# Altium PCB praxis_top_level_pcbdoc_v1.PcbDoc (part 2 of 2)
Units mm, origin at the board's own origin, x right, y up, seen from the top; angles counter-clockwise.
Board outline 131 x 75.5 mm, 4 copper layers (Top Layer, Int1 (GND), Int2 (PWR), Bottom Layer), stack 1.273 mm thick; 193 components, 25 nets, 735 pads, 144 vias.
Unrouted connection lines stored in the file: 9.
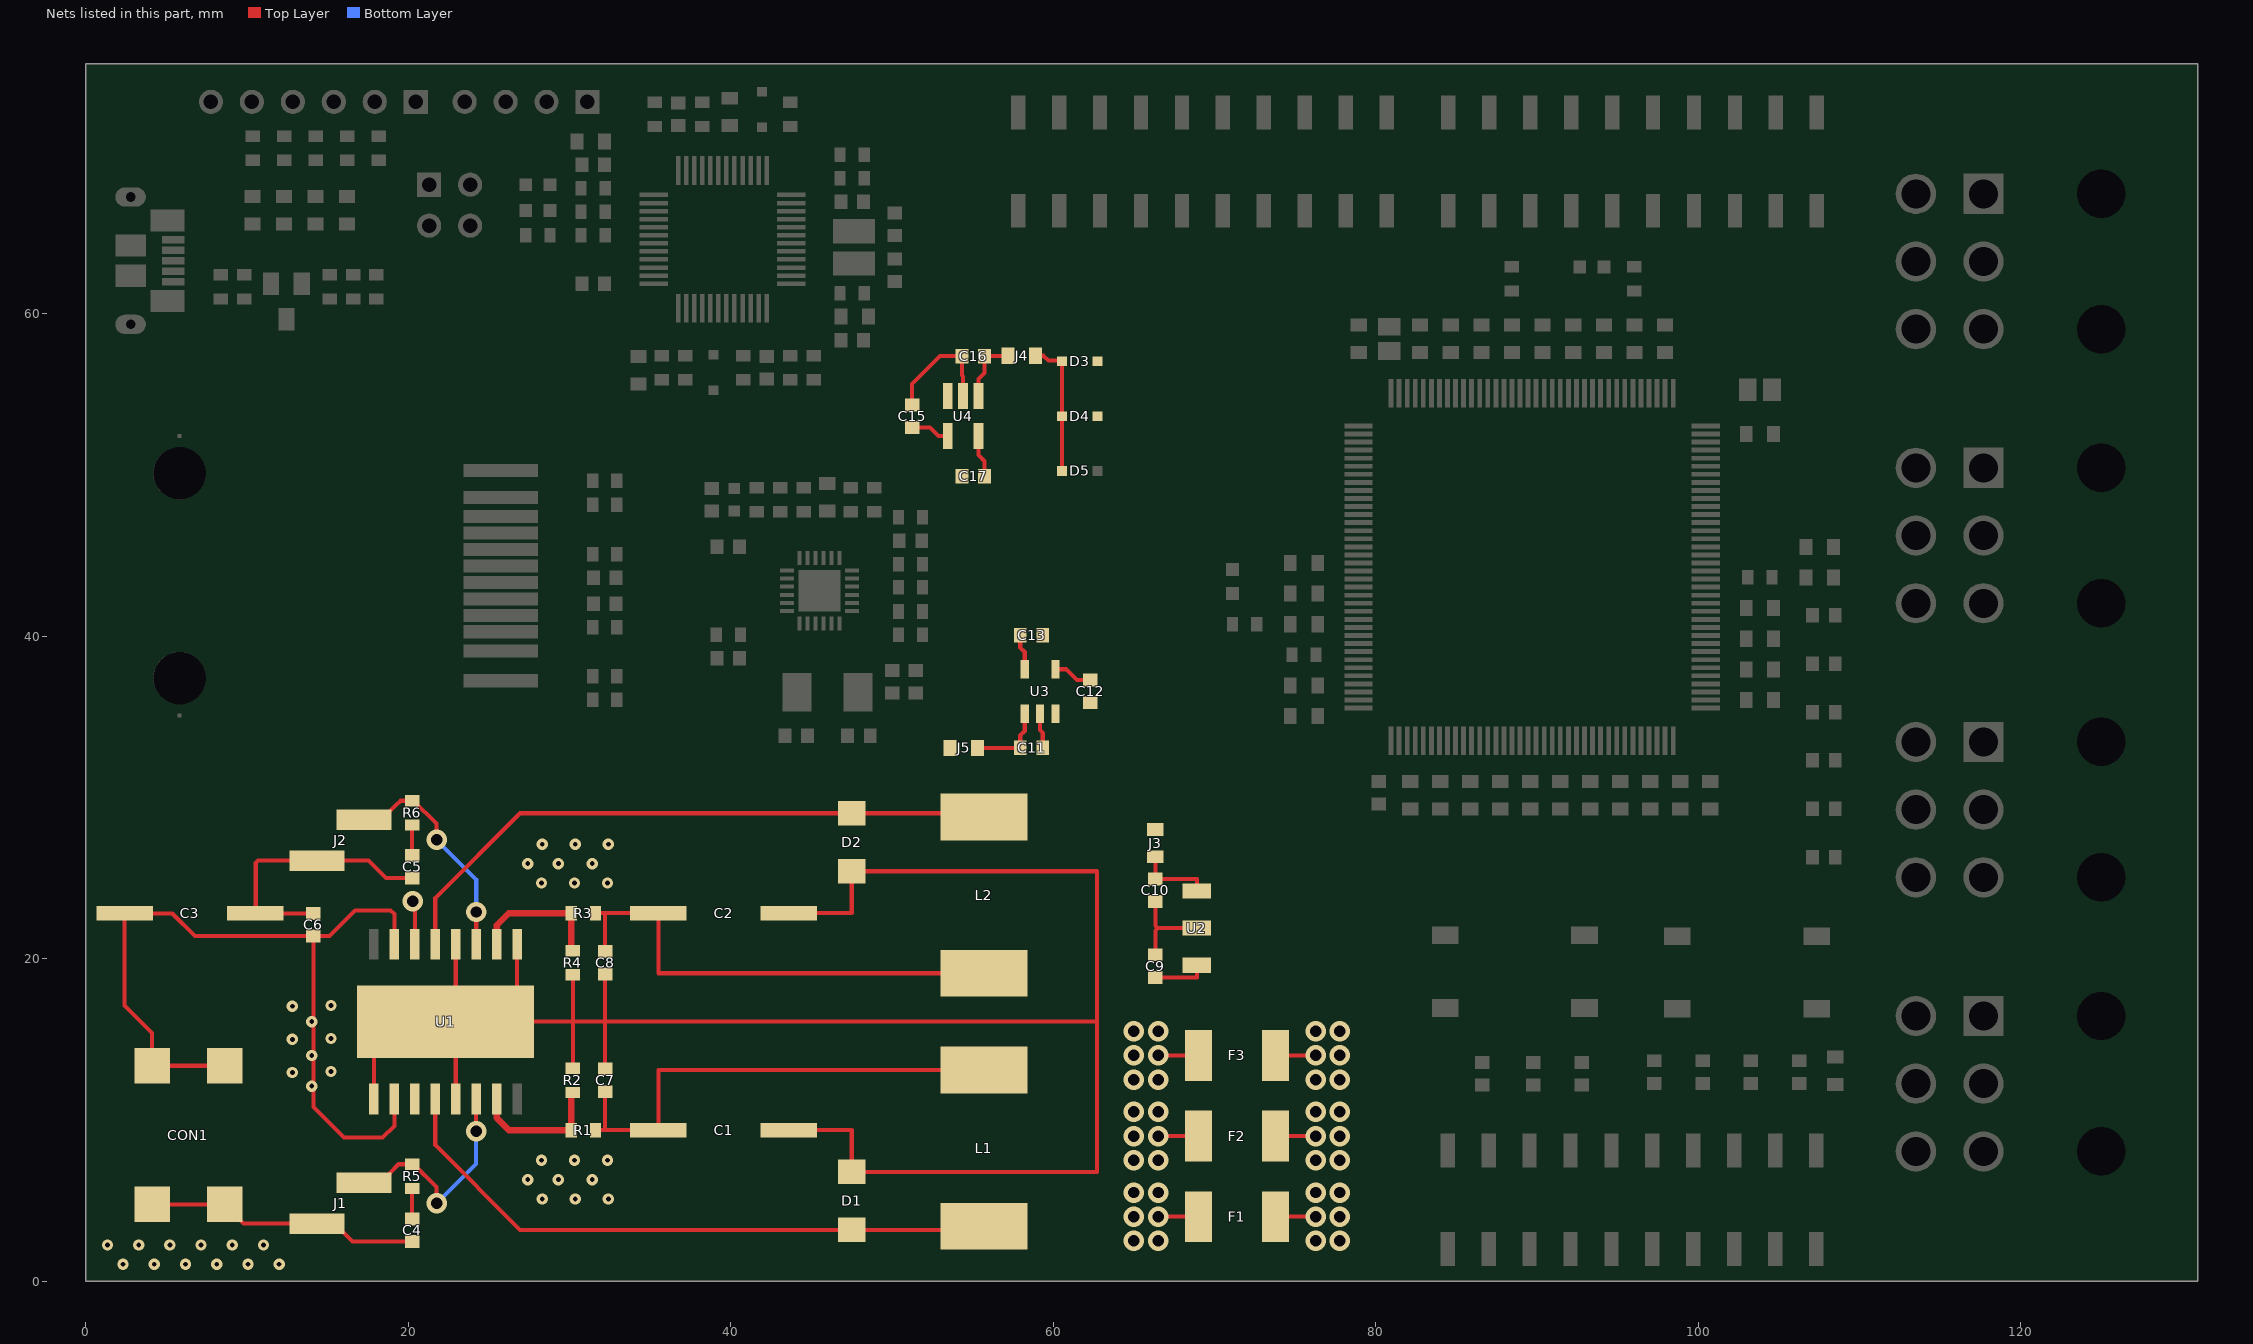
[diagram p4: the nets of this part, all layers, seen from the top]

## Via types
v1: diameter 0.711, hole 0.4, Top Layer to Bottom Layer, 58 vias
v2: diameter 1.27, hole 0.711, Top Layer to Bottom Layer, 41 vias
v3: diameter 0.7, hole 0.3, Top Layer to Bottom Layer, 39 vias
v4: diameter 0.711/0.711 (per signal layer), hole 0.4, Top Layer to Bottom Layer, 5 vias
v5: diameter 5, hole 3, Top Layer to Bottom Layer, 1 vias

## Nets (pads, with @x,y where several pads share a name; then routed paths per layer and width w, separated by ;. In a path a pad name is that pad's centre, name@x,y a point inside that pad or via, vN(x,y) a via of type N, cw(c..) or ccw(c..) an arc to the next point about the centre after c; other vN are vias at no path point)
+3V3_MCP1825: C9.2 U2.3 | length 3.3
  Top Layer w0.254: C9.2@66.327,18.847 68.907,18.847 U2.3@68.907,19.599
+3V3_MIC5301: C13.1 U3.5 | length 2.2
  Top Layer w0.254: C13.1@57.948,40.081 57.948,39.309 58.229,39.028 U3.5@58.229,37.959
+3V3_SPI: C2.1 C8.1 F2.1 F2.2 L2.2 R3.2 | length 35.2
  Top Layer w0.254: R3.2@31.6,22.825 32.2,22.825 ; C8.1@32.2,20.45 32.2,22.825 ; L2.2@55.7,19.1 35.5,19.1 C2.1@35.5,22.825 32.2,22.825 ; v2(66.5,9) F2.1@69,9 ; F2.2@73.78,9 v2(76.28,9)
  other v2: 65,7.5 66.5,7.5 76.28,7.5 77.78,7.5 65,9 77.78,9 65,10.5 66.5,10.5 76.28,10.5 77.78,10.5
  other v3: 28.25,24.7 30.3,24.7 32.35,24.7 27.4,25.9 29.3,25.9 31.4,25.9 28.3,27.1 30.35,27.1 32.4,27.1
+3V3_STLINK: C17.1 U4.5 | length 2.6
  Top Layer w0.254: U4.5@55.357,52.414 55.357,51.242 55.741,50.858 C17.1@55.741,49.934
+5V_SPI: C1.1 C7.1 D3.1 F3.1 F3.2 J3.1 J5.1 L1.1 R1.2 | length 35.2
  Top Layer w0.254: R1.2@31.6,9.375 32.2,9.375 ; C7.1@32.2,11.75 32.2,9.375 ; L1.1@55.7,13.1 35.5,13.1 C1.1@35.5,9.375 32.2,9.375 ; v2(66.5,14) F3.1@69,14 ; F3.2@73.78,14 v2(76.28,14)
  other v2: 65,12.5 66.5,12.5 76.28,12.5 77.78,12.5 65,14 77.78,14 65,15.5 66.5,15.5 76.28,15.5 77.78,15.5
  other v3: 28.3,5.1 30.35,5.1 32.4,5.1 27.4,6.3 29.3,6.3 31.4,6.3 28.25,7.5 30.3,7.5 32.35,7.5
+5V_STLINK: D3.2 D4.2 D5.2 J4.1 | length 8.6
  Top Layer w0.254: J4.1@58.9,57.4 59.4,57.4 59.7,57.1 60.499,57.1 D3.2@60.541,57.058 D4.2@60.541,53.658 D5.2@60.541,50.258
+5V_USB: D4.1
+12V: C3.1 C6.1 CON1.1 F1.1 F1.2 U1.2 U1.3 U1.15 | length 58
  Top Layer w0.254: CON1.1@8.598,13.362 CON1.1@4.098,13.362 4.098,15.402 2.4,17.1 C3.1@2.4,22.825 2.425,22.8 5.351,22.8 6.751,21.4 C6.1@14.1,21.4 ; U1.2@19.125,11.3 19.125,9.625 18.4,8.9 16,8.9 14.1,10.8 14.1,12.1 14.1,14 14.1,16.1 C6.1@14.1,21.4 ; U1.15@19.125,20.9 19.125,22.775 18.9,23 16.7,23 15.1,21.4 C6.1@14.1,21.4 ; v2(66.5,4) F1.1@69,4 ; F1.2@73.78,4 v2(76.28,4)
  other v2: 65,2.5 66.5,2.5 76.28,2.5 77.78,2.5 65,4 77.78,4 65,5.5 66.5,5.5 76.28,5.5 77.78,5.5
  other v3: 14,12.1 12.8,12.95 15.2,13 14,14 12.8,15 15.2,15.05 14,16.1 12.8,17.05 15.2,17.1
BYPASS: C15.1 U4.4 | length 2.4
  Top Layer w0.254: C15.1@51.241,52.958 52.341,52.958 52.884,52.414 U4.4@53.457,52.414
C/E: U1.14 | length 2.7
  Top Layer w0.254: v2(20.262,23.576) 20.398,23.441 20.398,20.903 U1.14@20.395,20.9
GND: C1.2 C2.2 C3.2 C4.1 C5.1 C6.2 C7.2 C8.2 C9.1 C10.1 C11.2 C12.2 C13.2 C15.2 C16.2 C17.2 CON1.2 D1.1 D2.1 J1.1 J2.2 R2.1 R4.1 U1.1 U1.5 U1.9 U1.12 U1.17 U2.2 U3.2 U4.2 | length 189
  Top Layer w0.254: CON1.2@4.098,4.762 CON1.2@8.598,4.762 9.783,3.577 J1.1@14.325,3.577 15.405,3.577 16.53,2.452 C4.1@20.225,2.452 ; C3.2@11.8,22.825 C3.2@10.5,22.825 ; C6.2@14.1,22.8 14.097,22.797 11.8,22.797 10.528,22.797 C3.2@10.5,22.825 ; U1.1@17.855,11.3 17.855,13.977 19.978,16.1 U1.17@22.1,16.1 ; C5.1@20.225,24.998 18.602,24.998 17.517,26.083 J2.2@14.325,26.083 10.677,26.083 10.528,25.934 10.528,22.854 C3.2@10.5,22.825 ; U1.5@22.935,11.3 22.935,15.465 U1.17@22.3,16.1 ; U1.12@22.935,20.9 22.935,16.935 U1.17@22.1,16.1 ; U1.9@26.745,20.9 26.745,18.223 U1.17@24.622,16.1 ; R2.1@30.2,13.2 30.2,16.1 ; R4.1@30.2,19 30.2,16.1 ; C7.2@32.2,13.15 32.2,16.1 ; C8.2@32.2,19.05 32.2,16.1 ; C1.2@43.6,9.375 47.5,9.375 D1.1@47.5,6.775 62.7,6.775 62.7,16.1 ; C2.2@43.6,22.825 47.5,22.825 D2.1@47.5,25.425 62.7,25.425 62.7,16.1 ; C15.2@51.241,54.358 51.241,55.658 52.965,57.383 C16.2@54.341,57.383 54.341,56.191 54.407,56.125 U4.2@54.407,54.902 ; U3.2@59.179,35.203 59.179,34.184 59.348,34.015 C11.2@59.348,33.081 ; C9.1@66.327,20.247 66.327,21.75 66.476,21.899 ; C10.1@66.327,23.55 66.327,22.048 66.476,21.899 ; U2.2@68.907,21.899 66.476,21.899 ; U1.17@22.1,16.1 U1.17@22.3,16.1 ; U1.17@22.3,16.1 U1.17@24.622,16.1 ; U1.17@24.622,16.1 30.2,16.1 ; 30.2,16.1 32.2,16.1 ; 32.2,16.1 62.7,16.1
  other v3: 2.299,1.048 4.236,1.048 6.172,1.048 8.108,1.048 10.045,1.048 11.981,1.048 1.331,2.248 3.268,2.248 5.204,2.248 7.14,2.248 9.077,2.248 11.013,2.248
INHIBIT: U4.3
NetC4_2: C4.2 R5.1 | length 1.9
  Top Layer w0.254: C4.2@20.225,3.852 R5.1@20.225,5.752
NetC5_2: C5.2 R6.1 | length 1.9
  Top Layer w0.254: C5.2@20.225,26.398 R6.1@20.225,28.298
NetC10_2: C10.2 J3.2 U2.1 | length 4.7
  Top Layer w0.254: J3.2@66.327,26.325 C10.2@66.327,24.95 68.907,24.95 U2.1@68.907,24.199
NetC11_1: C11.1 J5.2 U3.1 | length 4.9
  Top Layer w0.254: J5.2@55.3,33.081 C11.1@57.948,33.081 57.948,33.852 58.229,34.134 U3.1@58.229,35.203
NetC12_1: C12.1 U3.4 | length 2.4
  Top Layer w0.254: U3.4@60.129,37.959 60.799,37.959 61.477,37.281 C12.1@62.277,37.281
NetC16_1: C16.1 J4.2 U4.1 | length 4.1
  Top Layer w0.254: U4.1@55.357,54.902 55.357,55.957 55.741,56.341 C16.1@55.741,57.383 57.183,57.383 J4.2@57.2,57.4
NetU3_3: U3.3
SS1: J1.2 R5.2 U1.6 | length 14.1
  Top Layer w0.254: J1.2@17.245,6.117 18.325,6.117 18.833,6.625 18.833,6.691 19.394,7.252 R5.2@20.225,7.252 20.325,7.252 21.736,5.841 21.736,4.839 v2(21.75,4.825) ; v2(24.2,9.3) 24.202,9.302 24.202,11.297 U1.6@24.205,11.3
  Bottom Layer w0.254: v2(21.75,4.825) 24.2,7.275 v2(24.2,9.3)
SS2: J2.1 R6.2 U1.11 | length 14.1
  Top Layer w0.254: J2.1@17.245,28.623 18.325,28.623 19.2,29.498 19.2,29.5 19.498,29.798 R6.2@20.225,29.798 20.325,29.798 21.732,28.391 21.732,27.398 v2(21.755,27.375) ; U1.11@24.207,20.902 v2@24.207,22.897
  Bottom Layer w0.254: v2(21.755,27.375) 24.205,24.925 v2(24.205,22.9)
SWout1: D1.2 L1.2 U1.4 | length 39.2
  Top Layer w0.254: U1.4@21.665,11.3 21.665,8.435 26.925,3.175 D1.2@47.5,3.175 55.475,3.175 L1.2@55.7,3.4
SWout2: D2.2 L2.1 U1.13 | length 39.2
  Top Layer w0.254: U1.13@21.665,20.9 21.665,23.765 26.925,29.025 D2.2@47.5,29.025 55.475,29.025 L2.1@55.7,28.8
Vref1: R1.1 R2.2 U1.7 | length 8.5
  Top Layer w0.254: U1.7@25.475,10.65 U1.7@25.475,11.3 ; R2.2@30.1,11.7 R2.2@30.2,11.7
  Top Layer w0.4: U1.7@25.475,10.65 25.475,10.125 26.225,9.375 R1.1@30.1,9.375 R2.2@30.1,11.7
Vref2: R3.1 R4.2 U1.10 | length 7.9
  Top Layer w0.254: R4.2@30.1,20.5 R4.2@30.2,20.5
  Top Layer w0.4: U1.10@25.475,21.55 25.475,22.075 26.225,22.825 R3.1@30.1,22.825 R4.2@30.1,20.5
pads on no net: C1_1.1 C1_1.2 C1_2.1 C1_2.2 C2_1.1 C2_1.2 C2_2.1 C2_2.2 C3_1.1 C3_1.2 C4_1.1 C4_1.2 C4_2.1 C4_2.2 C4_3.1 C4_3.2 C5_1.1 C5_1.2 C5_2.1 C5_2.2 C6_1.1 C6_1.2 C6_2.1 C6_2.2 C6_3.1 C6_3.2 C7_1.1 C7_1.2 C7_2.1 C7_2.2 C7_3.1 C7_3.2 C8_1.1 C8_1.2 C8_2.1 C8_2.2 C8_3.1 C8_3.2 C9_1.1 C9_1.2 C9_2.1 C9_2.2 C10_1.1 C10_1.2 C10_2.1 C10_2.2 C11_1.1 C11_1.2 C11_2.1 C11_2.2 C12_1.1 C12_1.2 C13_1.1 C13_1.2 C14.1 C14.2 C15_1.1 C15_1.2 C16_1.1 C16_1.2 C17_1.1 C17_1.2 C18.1 C18.2 C19.1 C19.2 C20.1 C20.2 CON1_1.1 CON1_1.2 CON1_1.3 CON1_1.4 CON1_1.5 CON1_1.6 CON1_2.1 CON1_2.2 CON1_2.3 CON1_2.4 CON1_2.5 CON1_2.6 CON1_2.7 CON1_2.8 CON1_2.9 CON1_2.10 CON1_2.11 CON1_2.12 CON1_2.13 CON1_2.14 CON1_2.16 CON1_2.17 CON1_3. CON1_3.1 CON1_3.2 CON1_3.3 CON1_3.4 CON1_3.5 CON1_3.6 CON2. CON2.1 CON2.2 CON2.3 CON2.4 CON2.5 CON2.6 CON3. CON3.1 CON3.2 CON3.3 CON3.4 CON3.5 CON3.6 CON4. CON4.1 CON4.2 CON4.3 CON4.4 CON4.5 CON4.6 D1_1.1 D1_1.2 D2_1.1 D2_1.2 D5.1 Header1.1 Header1.2 Header1.3 Header1.4 Header1.5 Header1.6 Header1.7 Header1.8 Header1.9 Header1.10 Header1.11 Header1.12 Header1.13 Header1.14 Header1.15 Header1.16 Header1.17 Header1.18 Header1.19 Header1.20 Header2.1 Header2.2 Header2.3 Header2.4 Header2.5 Header2.6 Header2.7 Header2.8 Header2.9 Header2.10 Header2.11 Header2.12 Header2.13 Header2.14 Header2.15 Header2.16 Header2.17 Header2.18 Header2.19 Header2.20 Header3.1 Header3.2 Header3.3 Header3.4 Header3.5 Header3.6 Header3.7 Header3.8 Header3.9 Header3.10 Header3.11 Header3.12 Header3.13 Header3.14 Header3.15 Header3.16 Header3.17 Header3.18 Header3.19 Header3.20 J1_1.1 J1_1.2 J1_2.1 J1_2.2 J1_3.1 J1_3.2 J2_1.1 J2_1.2 J2_2.1 J2_2.2 J3_1.1 J3_1.2 J3_2.1 J3_2.2 J4_1.1 J4_1.2 J4_2.1 J4_2.2 J5_1.1 J5_1.2 J5_2.1 J5_2.2 J6.1 J6.2 J6_1.1 J6_1.2 J7.1 J7.2 J7_1.1 J7_1.2 J8.1 J8.2 J8_1.1 J8_1.2 J9.1 J9.2 J10.1 J10.2 J11.1 J11.2 J12.1 J12.2 J13.1 J13.2 J14.1 J14.2 J15.1 J15.2 J16.1 J16.2 J17.1 J17.2 J18.1 J18.2 J19.1 J19.2 J20.1 J20.2 J21.1 J21.2 J22.1 J22.2 J23.1 J23.2 J24.1 J24.2 J25.1 J25.2 J26.1 J26.2 J27.1 J27.2 J28.1 J28.2 J29.1 J29.2 J30.1 J30.2 J31.1 J31.2 J32.1 J32.2 J33.1 J33.2 J34.1 J34.2 L1_1.1 L1_1.2 LED1.1 LED1.2 LED1_1.1 LED1_1.2 LED2.1 LED2.2 LED2_1.1 LED2_1.2 P1.1 P1.2 P1.3 P1.4 P1.5 P1.6 P2.1 P2.2 P2.3 P2.4 P3.1 P3.2 P3.3 P3.4 R1_1.1 R1_1.2 R1_2.1 R1_2.2 R2_1.1 R2_1.2 R2_2.1 R2_2.2 R3_1.1 R3_1.2 R3_2.1 R3_2.2 R3_3.1 R3_3.2 R4_1.1 R4_1.2 R4_2.1 R4_2.2 R4_3.1 R4_3.2 R5_1.1 R5_1.2 R5_2.1 R5_2.2 R6_1.1 R6_1.2 R6_2.1 R6_2.2 R6_3.1 R6_3.2 R7.1 R7.2 R7_1.1 R7_1.2 R7_2.1 R7_2.2 R8.1 R8.2 R8_1.1 R8_1.2 R8_2.1 R8_2.2 R9.1 R9.2 R9_1.1 R9_1.2 R10.1 R10.2 R10_1.1 R10_1.2 R11.1 R11.2 R11_1.1 R11_1.2 R12.1 R12.2 R12_1.1 R12_1.2 R13.1 R13.2 R13_1.1 R13_1.2 R14.1 R14.2 R14_1.1 R14_1.2 R15.1 R15.2 R15_1.1 R15_1.2 R16.1 R16.2 R17.1 R17.2 R18.1 R18.2 R19.1 R19.2 R20.1 R20.2 R21.1 R21.2 R22.1 R22.2 R23.1 R23.2 R24.1 R24.2 R25.1 R25.2 R26.1 R26.2 R27.1 R27.2 SW1.1 SW1.2 SW1.3 SW1.4 SW2.1 SW2.2 SW2.3 SW2.4 T1.1 T1.2 T1.3 U1.8 U1.16 U1_1.1 U1_1.2 U1_1.3 U1_1.4 U1_1.5 U1_1.6 U1_1.7 U1_1.8 U1_1.9 U1_1.10 U1_1.11 U1_1.12 U1_1.13 U1_1.14 U1_1.15 U1_1.16 U1_1.17 U1_1.18 U1_1.19 U1_1.20 U1_1.21 U1_1.22 U1_1.23 U1_1.24 U1_1.25 U1_1.26 U1_1.27 U1_1.28 U1_1.29 U1_1.30 U1_1.31 U1_1.32 U1_1.33 U1_1.34 U1_1.35 U1_1.36 U1_1.37 U1_1.38 U1_1.39 U1_1.40 U1_1.41 U1_1.42 U1_1.43 U1_1.44 U1_1.45 U1_1.46 U1_1.47 U1_1.48 U1_2.1 U1_2.2 U1_2.3 U1_2.4 U1_2.5 U1_2.6 U1_2.7 U1_2.8 U1_2.9 U1_2.10 U1_2.11 U1_2.12 U1_2.13 U1_2.14 U1_2.15 U1_2.16 U1_2.17 U1_2.18 U1_2.19 U1_2.20 U1_2.21 U1_2.22 U1_2.23 U1_2.24 U1_2.25 U1_3.1 U1_3.2 U1_3.3 U1_3.4 U1_3.5 U1_3.6 U1_3.7 U1_3.8 U1_3.9 U1_3.10 U1_3.11 U1_3.12 U1_3.13 U1_3.14 U1_3.15 U1_3.16 U1_3.17 U1_3.18 U1_3.19 U1_3.20 U1_3.21 U1_3.22 U1_3.23 U1_3.24 U1_3.25 U1_3.26 U1_3.27 U1_3.28 U1_3.29 U1_3.30 U1_3.31 U1_3.32 U1_3.33 U1_3.34 U1_3.35 U1_3.36 U1_3.37 U1_3.38 U1_3.39 U1_3.40 U1_3.41 U1_3.42 U1_3.43 U1_3.44 U1_3.45 U1_3.46 U1_3.47 U1_3.48 U1_3.49 U1_3.50 U1_3.51 U1_3.52 U1_3.53 U1_3.54 U1_3.55 U1_3.56 U1_3.57 U1_3.58 U1_3.59 U1_3.60 U1_3.61 U1_3.62 U1_3.63 U1_3.64 U1_3.65 U1_3.66 U1_3.67 U1_3.68 U1_3.69 U1_3.70 U1_3.71 U1_3.72 U1_3.73 U1_3.74 U1_3.75 U1_3.76 U1_3.77 U1_3.78 U1_3.79 U1_3.80 U1_3.81 U1_3.82 U1_3.83 U1_3.84 U1_3.85 U1_3.86 U1_3.87 U1_3.88 U1_3.89 U1_3.90 U1_3.91 U1_3.92 U1_3.93 U1_3.94 U1_3.95 U1_3.96 U1_3.97 U1_3.98 U1_3.99 U1_3.100 U1_3.101 U1_3.102 U1_3.103 U1_3.104 U1_3.105 U1_3.106 U1_3.107 U1_3.108 U1_3.109 U1_3.110 U1_3.111 U1_3.112 U1_3.113 U1_3.114 U1_3.115 U1_3.116 U1_3.117 U1_3.118 U1_3.119 U1_3.120 U1_3.121 U1_3.122 U1_3.123 U1_3.124 U1_3.125 U1_3.126 U1_3.127 U1_3.128 U1_3.129 U1_3.130 U1_3.131 U1_3.132 U1_3.133 U1_3.134 U1_3.135 U1_3.136 U1_3.137 U1_3.138 U1_3.139 U1_3.140 U1_3.141 U1_3.142 U1_3.143 U1_3.144 U2_1.1 U2_1.2 X1.1 X1.2
copper on no net: | length 630.3
  Top Layer w0.16: 25.725,40.281 26.051,40.607 28.132,40.607 28.161,40.636 28.636,40.636 30.382,38.89 32.447,38.89 32.93,38.407 ; 25.725,41.301 26.051,40.974 28.132,40.974 28.161,40.946 28.764,40.946 30.51,39.2 32.45,39.2 32.93,39.68 ; 25.725,44.361 26.051,44.687 28.132,44.687 28.161,44.716 28.779,44.716 30.539,46.476 32.447,46.476 32.93,45.993 ; 25.725,45.381 26.051,45.054 28.132,45.054 28.161,45.026 28.651,45.026 30.411,46.786 32.45,46.786 32.93,47.266 ; 32.93,37.51 32.93,38.407 ; 32.93,40.577 32.93,39.68 ; 32.93,45.089 32.93,45.993 ; 32.93,48.163 32.93,47.266 ; v1(35.956,41.431) 35.926,41.401 35.926,40.938 34.187,39.199 33.411,39.199 32.93,39.68 ; v1(36.638,40.748) 36.609,40.719 36.145,40.719 34.315,38.889 33.411,38.889 32.93,38.407 ; v1(38.6,44.075) 38.63,44.105 39.093,44.105 39.286,44.298 40.736,44.298 41.553,43.481 42.927,43.481 42.977,43.531 43.558,43.531 ; v1(39.282,43.393) 39.312,43.422 39.312,43.885 39.415,43.988 40.607,43.988 41.425,43.171 42.927,43.171 42.977,43.121 43.43,43.121 43.475,43.076 ; 43.475,42.076 43.168,42.076 43.073,42.171 40.659,42.171 40.038,41.55 38.147,41.55 35.85,43.847 35.85,45 34.994,45.856 34.377,46.473 33.41,46.473 32.93,45.993 ; 43.475,42.576 43.168,42.576 43.073,42.481 40.531,42.481 39.91,41.86 38.275,41.86 36.16,43.975 36.16,45.128 35.214,46.075 34.505,46.783 33.413,46.783 32.93,47.266
  Top Layer w0.2: 7.751,73.15 9.02,71.881 10.126,71.881 10.333,71.674 10.333,71.026 10.325,71.034 ; 9.825,60.923 9.852,60.95 10.495,60.95 10.613,61.067 10.613,61.708 10.73,61.825 11.43,61.825 11.479,61.875 ; 10.291,73.15 11.561,71.88 12.082,71.88 12.287,71.674 12.287,71.026 12.241,71.072 ; v1(10.875,59.675) 11.7,59.675 ; 11.7,59.675 12.429,59.675 ; 12.831,72.894 12.831,73.15 14.241,71.739 14.241,71.026 14.25,71.034 ; 13.38,61.875 14,61.875 14.55,62.425 15.106,62.425 15.108,62.423 16.562,62.423 18.016,62.423 ; 14.241,67.276 v1(14.241,68.401) 14.241,69.526 ; 16.196,67.276 v1(16.196,68.401) 16.196,69.526 ; 16.196,71.026 16.196,71.674 16.4,71.878 16.639,71.878 17.911,73.15 ; v4(16.562,59.725) 16.562,60.923 ; 18.016,60.923 27.302,60.923 29.575,58.65 36.725,58.65 37.225,59.15 37.225,60.358 ; v1@18.15,68.25 v1@18.177,68.223 ; v1(18.15,68.401) 18.15,69.526 ; 18.15,71.026 18.15,71.674 18.357,71.881 19.182,71.881 20.451,73.15 ; 25.725,37.241 25.745,37.221 28.324,37.221 30.47,35.075 35.929,35.075 38.075,37.221 41.326,37.221 43.13,39.025 44.8,39.025 45.244,39.469 45.244,40.806 ; 25.725,50.281 29.181,50.281 v1(30.075,51.175) ; v1(25.975,64.825) 27.25,64.825 27.275,64.85 ; 26.025,73.15 26.025,71.004 v1(27.288,69.742) ; v1(26.045,68.008) 27.278,68.008 27.287,68 27.908,68 28.025,68.117 28.025,68.758 28.142,68.875 29.65,68.875 30.013,69.238 30.758,69.238 ; 27.278,66.404 27.829,66.404 28.025,66.208 28.025,64.992 28.142,64.875 28.775,64.875 ; 27.286,66.329 27.29,66.325 ; 28.565,73.15 29.84,74.425 36.075,74.425 36.725,73.775 36.725,73.075 ; 28.772,66.404 29.321,66.404 29.725,66 29.725,64.992 29.842,64.875 30.708,64.875 ; 28.772,68.008 29.492,68.008 29.725,67.775 29.725,66.639 30.035,66.329 30.708,66.329 ; v1(28.775,69.742) 28.775,70.82 31.105,73.15 ; v1(29.125,61.875) 30.758,61.875 ; 30.458,70.694 30.476,70.712 30.476,71.376 30.977,71.877 32.202,71.877 v1(33.525,73.2) ; 30.708,67.784 30.717,67.775 31.333,67.775 31.45,67.892 31.45,69.121 31.567,69.238 32.158,69.238 32.158,70.694 ; 32.158,61.875 v1(33.45,61.875) 35.208,61.875 ; 32.208,66.329 32.208,64.875 35.208,64.875 ; 32.208,67.784 32.966,67.784 33.425,67.325 33.425,65.95 34,65.375 35.208,65.375 ; 32.88,42.031 v1(34.175,42.031) ; 32.88,43.635 v1(34.175,43.635) ; v1(32.954,55.658) 34.261,55.658 34.253,55.65 ; 34.261,57.358 34.311,57.408 35.716,57.408 37.171,57.408 37.171,58.283 37.725,58.838 37.725,60.345 37.719,60.351 37.725,60.358 ; 35.208,62.375 37.675,62.375 39.499,64.199 ; 35.208,62.875 36.775,62.875 v1(37.475,63.575) ; 35.208,64.375 37,64.375 v1(37.55,64.925) ; 35.208,66.375 34.15,66.375 33.9,66.625 v1(33.9,70.175) 33.9,71.975 34.3,72.375 35.158,72.375 35.275,72.492 35.275,73.121 35.271,73.125 ; 35.208,66.875 37.075,66.875 38.26,65.691 ; 35.208,67.375 35.231,67.375 35.271,67.415 35.271,71.625 ; v1(35.716,54.65) 35.716,55.883 ; v1(36.313,37.613) 36.375,37.675 41.138,37.675 42.942,39.479 44.612,39.479 44.744,39.611 44.744,40.806 ; 36.725,60.358 36.725,61.425 37.225,61.925 v1(38.825,61.925) ; 36.725,68.892 36.725,71.675 36.725,72.258 36.842,72.375 38.108,72.375 38.225,72.492 38.225,73.125 ; 37.171,55.908 37.175,55.912 37.175,56.558 37.292,56.675 38.808,56.675 38.925,56.792 38.925,57.458 ; 37.225,68.892 37.225,67.8 37.65,67.375 v1@38.209,67.375 ; v1(38.21,67.376) 38.725,67.891 38.725,68.892 ; 38.225,68.892 38.225,71.625 39.88,71.625 39.929,71.674 ; v1(38.85,74.35) 41.358,74.35 41.934,73.774 ; v1(38.975,66.4) 39.725,67.15 39.725,68.892 ; 40.225,57.408 40.225,60.358 ; 40.543,38.631 41.452,38.631 42.754,39.933 44.127,39.933 44.244,40.05 44.244,40.806 ; 40.593,40.085 41.36,40.085 41.625,40.35 41.625,41.05 42.151,41.576 43.475,41.576 ; 40.593,45.566 41.36,45.566 41.625,45.301 41.625,44.601 42.151,44.076 43.475,44.076 ; 40.771,55.908 42.225,55.908 ; 41.225,68.892 41.225,67.35 39.566,65.691 38.26,65.691 ; 41.611,47.723 43.065,47.723 43.065,47.01 43.275,46.8 45.125,46.8 46.244,45.681 46.244,44.845 ; 41.725,60.358 41.725,61.973 39.499,64.199 ; v1(41.825,64.279) 42.434,64.888 43.73,64.888 43.742,64.875 ; 41.934,71.574 41.934,72.258 42.051,72.375 43.57,72.375 43.687,72.492 43.687,73.124 ; v1(42.225,54.675) 42.225,55.908 ; 42.225,55.958 42.225,55.908 ; 43.346,33.824 43.346,34.482 44.094,35.231 44.094,36.528 44.094,37.881 cw(c44.764,37.881) 44.764,38.55 44.875,38.55 ccw(c44.875,39.419) 45.744,39.419 45.744,40.806 ; 43.679,55.908 42.225,55.908 ; 43.679,57.408 43.679,59.979 45.05,61.35 45.05,62.05 44.725,62.375 43.742,62.375 ; 43.688,71.625 45.675,71.625 46.775,70.525 46.775,69.879 46.775,68.425 45.975,68.425 45.525,67.975 45.525,66.975 44.925,66.375 43.742,66.375 ; 43.742,61.875 43.742,61.392 42.708,60.358 42.225,60.358 v1(42.225,58.675) 42.225,57.358 42.225,56.8 42.375,56.65 45.008,56.65 45.125,56.533 45.125,55.917 45.134,55.908 ; 43.742,62.875 45.025,62.875 45.525,62.375 45.525,62.004 46.24,61.29 46.775,61.29 ; 43.742,63.875 44.801,63.875 cw(c44.801,62.851) 45.525,63.575 45.756,63.344 ccw(c46.284,63.871) 46.284,63.125 47.625,63.125 ; 43.742,64.375 44.801,64.375 ccw(c44.801,65.399) 45.525,64.675 45.756,64.906 cw(c46.284,64.379) 46.284,65.125 47.625,65.125 ; 43.742,65.375 40.15,65.375 v1(39.5,64.725) 39.499,64.199 ; 43.742,65.875 v1(45.5,65.875) 45.5,66.375 46.042,66.917 46.782,66.917 46.825,66.96 ; 44.519,47.723 45.925,47.723 45.975,47.773 45.975,46.917 46.092,46.8 47.3,46.8 48.225,45.875 48.225,44.192 48.108,44.075 47.514,44.075 ; 45.1,57.442 v1(45.1,58.825) v1@45.133,58.825 ; 46.244,40.806 46.244,39.419 ccw(c47.114,39.419) 47.114,38.55 47.225,38.55 cw(c47.225,37.881) 47.894,37.881 47.894,36.528 47.894,35.231 48.619,34.506 48.619,33.824 ; 46.744,40.806 46.744,40.108 47.352,39.5 48.975,39.5 49.999,38.476 49.999,37.877 51.453,37.877 ; 46.825,58.378 45.58,58.378 v1@45.133,58.825 ; 46.825,59.834 46.209,59.834 45.2,58.825 v1@45.133,58.825 ; 47.431,47.723 48.885,47.723 48.885,46.427 48.696,46.238 48.696,44.021 48.25,43.576 47.514,43.576 ; 47.514,41.576 50.356,41.576 50.392,41.539 50.392,40.085 ; 47.514,42.076 48.726,42.076 49.679,43.029 50.392,43.029 50.392,44.484 ; 47.514,42.576 48.583,42.576 49.625,43.617 49.625,45.75 49.813,45.938 50.442,45.938 ; 47.514,43.076 47.518,43.071 48.437,43.071 49.15,43.784 49.15,46.05 50.392,47.292 50.392,47.392 ; 47.669,65.081 49.125,65.081 49.346,64.86 50.125,64.86 ; 47.681,63.181 49.125,63.181 49.35,63.406 50.125,63.406 ; 48.225,58.378 49.216,58.378 50.156,59.318 v1(50.156,60.62) ; 48.225,66.96 48.91,66.96 49.402,67.452 v1(50.156,67.452) 50.156,66.26 ; 48.275,61.29 49.487,61.29 v1(50.156,60.62) ; 48.275,68.425 49.175,68.425 v1(49.575,68.825) ; 48.525,59.834 49.369,59.834 v1(50.156,60.62) ; 50.156,62.006 v1(50.156,60.62) ; v1(37.65,66.3) 38.26,65.691 ; v1(37.65,66.3) 38.26,65.691 ; v1(37.65,66.3) 38.26,65.691
  Top Layer w0.254: 5.416,62 6.425,62 v1(7.025,61.4) 7.502,60.923 8.371,60.923 ; 5.416,62.65 6.838,62.65 7.064,62.423 8.371,62.423 ; 7.505,64.611 v4(8.025,65.132) v4(8.025,66.4) ; 10.333,67.276 v1(10.333,68.401) 10.333,69.526 ; 12.287,67.276 v1(12.287,68.401) 12.287,69.526 ; 14.241,65.576 14.241,64.909 14.5,64.65 20.317,64.65 21.142,65.475 21.285,65.475 ; v4(15.108,59.725) 15.108,60.923 ; 16.196,65.576 18.826,65.576 18.925,65.675 18.945,65.675 21.285,68.015 ; 25.725,39.081 28.658,39.081 29.225,38.513 29.225,37 30.169,36.056 31.43,36.056 ; 25.725,42.321 28.65,42.321 28.939,42.031 31.48,42.031 31.48,42.833 ; 25.725,43.341 28.65,43.341 28.944,43.635 31.48,43.635 ; 25.725,48.62 28.649,48.62 29.667,49.638 31.43,49.638 ; v1(30.075,37.51) 31.43,37.51 ; v1(30.075,41.3) 30.789,40.586 31.43,40.586 31.43,41.99 ; v1(30.075,42.838) 30.079,42.833 31.48,42.833 ; v1(30.075,44.375) v1@30.089,44.361 ; v1(30.075,48.163) 31.43,48.163 ; v1@30.089,41.312 31.423,41.312 ; v1@30.089,44.363 31.423,44.363 ; 31.43,45.089 31.43,43.685 31.48,43.635 ; 32.93,36.056 v1(34.175,36.056) ; 32.93,49.638 v1(34.175,49.638) ; 31.48,42.833 31.48,43.635
  Top Layer w0.26: 5.416,63.3 5.511,63.395 9.825,63.395 ; 5.416,63.95 5.511,63.855 20.533,63.855 34.419,63.855 34.429,63.865 35.198,63.865 35.208,63.875 ; 9.825,62.423 9.825,63.394 ; 35.208,63.375 35.198,63.385 34.429,63.385 34.419,63.395 20.724,63.395 9.825,63.395
  Top Layer w0.4: 5.417,64.6 7.493,64.6 7.505,64.611
  Bottom Layer w0.16: v1(35.956,41.431) 35.985,41.46 36.448,41.46 38.57,43.582 38.57,44.045 v1(38.6,44.075) ; v1(36.638,40.748) 36.668,40.778 36.668,41.241 38.79,43.363 39.253,43.363 v1(39.282,43.393)
  Bottom Layer w0.2: v1(30.075,51.175) 31.908,51.175 32.15,50.933 32.15,41.775 v1(36.313,37.613)
  other v1: 44.675,42.005 46.315,42.005 45.494,42.826 44.675,43.645 46.315,43.645 5.056,60.8 2.766,62.36 2.766,64.24 5.056,65.8 36.725,70.575
  other v4: 8.825,65.766
  other v5: 3.125,72.375

## Polygon pours and split planes (outlines as drawn)
GND on Top Layer "GND_L01_P000" (solid, pour order 0): 131,0 0,0 0,75.5 131,75.5
+5V_SPI on Top Layer "+5V_SPI_L01_P042" (solid, pour order 42): 69.78,12.1 69.48,11.8 64.68,11.8 64.28,12.2 64.28,14 69.78,14
+5V_SPI on Top Layer "+5V_SPI_L01_P041" (solid, pour order 41): 69.78,15.9 69.48,16.2 64.68,16.2 64.28,15.8 64.28,14 69.78,14
+3V3_SPI on Top Layer "+3V3_SPI_L01_P040" (solid, pour order 40): 69.78,7.1 69.48,6.8 64.68,6.8 64.28,7.2 64.28,9 69.78,9
+3V3_SPI on Top Layer "+3V3_SPI_L01_P039" (solid, pour order 39): 69.78,10.9 69.48,11.2 64.68,11.2 64.28,10.8 64.28,9 69.78,9
+12V on Top Layer "+12V_L01_P038" (solid, pour order 38): 69.78,2.1 69.48,1.8 64.68,1.8 64.28,2.2 64.28,4 69.78,4
+12V on Top Layer "+12V_L01_P037" (solid, pour order 37): 69.78,5.9 69.48,6.2 64.68,6.2 64.28,5.8 64.28,4 69.78,4
+12V on Top Layer "+12V_L01_P036" (solid, pour order 36): 73,2.1 73.3,1.8 78.1,1.8 78.5,2.2 78.5,4 73,4
+12V on Top Layer "+12V_L01_P035" (solid, pour order 35): 73,5.9 73.3,6.2 78.1,6.2 78.5,5.8 78.5,4 73,4
+5V_SPI on Top Layer "+5V_SPI_L01_P034" (solid, pour order 34): 73,12.1 73.3,11.8 78.1,11.8 78.5,12.2 78.5,14 73,14
+5V_SPI on Top Layer "+5V_SPI_L01_P033" (solid, pour order 33): 73,15.9 73.3,16.2 78.1,16.2 78.5,15.8 78.5,14 73,14
+3V3_SPI on Top Layer "+3V3_SPI_L01_P032" (solid, pour order 32): 73,7.1 73.3,6.8 78.1,6.8 78.5,7.2 78.5,9 73,9
+3V3_SPI on Top Layer "+3V3_SPI_L01_P030" (solid, pour order 30): 73,10.9 73.3,11.2 78.1,11.2 78.5,10.8 78.5,9 73,9
no net on Top Layer "NONET_L01_P029" (solid, pour order 29): 117.7,61.15 ccw(c117.7,59.05) 115.6,59.05 ccw(c117.7,59.05) 117.7,56.95 122,56.95 cw(c122,55.019) 123.366,56.384 123.5,56.25 ccw(c124.707,57.457) 124.707,55.75 130.8,55.75 130.8,62.45 124.952,62.45 ccw(c124.949,60.402) 123.5,61.85 123.366,61.716 cw(c122,63.081) 122,61.15
no net on Top Layer "NONET_L01_P028" (solid, pour order 28): 117.7,44.15 ccw(c117.7,42.05) 115.6,42.05 ccw(c117.7,42.05) 117.7,39.95 122,39.95 cw(c122,38.019) 123.366,39.384 123.5,39.25 ccw(c124.707,40.457) 124.707,38.75 130.8,38.75 130.8,45.45 124.952,45.45 ccw(c124.949,43.402) 123.5,44.85 123.366,44.716 cw(c122,46.081) 122,44.15
no net on Top Layer "NONET_L01_P027" (solid, pour order 27): 117.7,27.15 ccw(c117.7,25.05) 115.6,25.05 ccw(c117.7,25.05) 117.7,22.95 122,22.95 cw(c122,21.019) 123.366,22.384 123.5,22.25 ccw(c124.707,23.457) 124.707,21.75 130.8,21.75 130.8,28.45 124.952,28.45 ccw(c124.949,26.402) 123.5,27.85 123.366,27.716 cw(c122,29.081) 122,27.15
no net on Top Layer "NONET_L01_P026" (solid, pour order 26): 117.7,10.15 ccw(c117.7,8.05) 115.6,8.05 ccw(c117.7,8.05) 117.7,5.95 122,5.95 cw(c122,4.019) 123.366,5.384 123.5,5.25 ccw(c124.707,6.457) 124.707,4.75 130.8,4.75 130.8,11.45 124.952,11.45 ccw(c124.949,9.402) 123.5,10.85 123.366,10.716 cw(c122,12.081) 122,10.15
no net on Top Layer "NONET_L01_P021" (solid, pour order 21): 31.48,42.833 29.625,42.85 29.625,43.062 29.85,43.287 31.375,43.287 31.43,43.233
no net on Top Layer "NONET_L01_P020" (solid, pour order 20): 31.48,42.833 29.625,42.85 29.625,42.613 29.85,42.388 31.375,42.388 31.43,42.442
no net on Top Layer "NONET_L01_P019" (solid, pour order 19): 31.43,40.136 30.539,40.136 29.625,41.05 29.625,41.525 29.85,41.75 31.375,41.75 31.43,41.695
no net on Top Layer "NONET_L01_P018" (solid, pour order 18): 31.43,45.539 30.539,45.539 29.625,44.625 29.625,44.15 29.85,43.925 31.375,43.925 31.43,43.98
no net on Top Layer "NONET_L01_P017" (solid, pour order 17): 32.721,41.591 33.475,41.591 33.775,41.291 34.575,41.291 35.075,41.791 35.075,42.833 32.721,42.833
no net on Top Layer "NONET_L01_P016" (solid, pour order 16): 32.721,44.075 33.475,44.075 33.775,44.375 34.575,44.375 35.075,43.875 35.075,42.833 32.721,42.833
no net on Top Layer "NONET_L01_P015" (solid, pour order 15): 6.4,64.825 6.4,64.375 6.5,64.275 8.275,64.275 9.425,65.425 9.425,66.075 8.5,67 7.675,67 7.225,66.55 7.225,65.2 6.95,64.925 6.5,64.925
+3V3_SPI on Top Layer "+3V3_SPI" (solid, pour order 14): 36.612,16.9 33.5,20.012 31.4,20.012 31.4,23.362 31.225,23.537 27.175,23.537 26,24.712 26,26.212 27.9,28.112 39.7,28.112 40.7,27.112 40.7,21.7 41.488,20.912 46,20.912 46.7,21.612 60.3,21.612 61,20.912 61,18.512 59.388,16.9
SWout2 on Top Layer "SWOUT2_L01_P013" (solid, pour order 13): 21.2,25.025 26.5,30.325 59.55,30.325 60.8,29.075 60.8,27.5 59.3,26 52.1,26 51.3,26.8 41.7,26.8 39.8,28.7 27.3,28.7 22.2,23.6 22.2,21.5 21.2,21.5
SWout1 on Top Layer "SWOUT1_L01_P011" (solid, pour order 11): 21.2,7.175 26.5,1.875 59.55,1.875 60.8,3.125 60.8,4.7 59.3,6.2 52.1,6.2 51.3,5.4 41.7,5.4 39.8,3.5 27.3,3.5 22.2,8.6 22.2,10.7 21.2,10.7
+5V_SPI on Top Layer "+5V_SPI" (solid, pour order 8): 36.612,15.3 33.5,12.188 31.4,12.188 31.4,8.838 31.225,8.663 27.175,8.663 26,7.488 26,5.988 27.9,4.088 39.7,4.088 40.7,5.088 40.7,10.5 41.488,11.288 46,11.288 46.7,10.588 60.3,10.588 61,11.288 61,13.688 59.388,15.3
+12V on Top Layer "+12V_L01_P004" (solid, pour order 4): 6.3,22.75 7.525,21.525 13.4,21.525 16.3,21.525 16.3,15.25 12.8,15.25 11.8,15.25 10.05,17 4.55,17 3.8,17.75 3.8,23.25 0.05,23.25 0.05,25.5 4.8,25.5 6.3,24
+12V on Top Layer "+12V_L01_P003" (solid, pour order 3): 11.3,14.9 9.7,16.5 4.3,16.5 3.3,17.5 3.3,23.25 0.05,23.25 0.05,13.25 2.8,10.5 9.8,10.5 11.3,12
+12V on Top Layer "+12V_L01_P007" (solid, pour order 7): 16.3,21.375 17.175,22.25 18.45,22.25 18.6,22.1 18.6,21.16 18.825,20.9 19.425,20.9 19.6,21.139 19.6,22.925 18.825,23.7 15.9,23.7 14.8,22.6 14.8,21.375
+12V on Top Layer "+12V_L01_P006" (solid, pour order 6): 11.8,15.25 11.8,12 15.8,8 20.1,8 20.925,8.825 20.925,10.77 20.695,11 20.1,11 20.1,10.1 19.425,10.1 19.425,11 18.825,11 18.825,10.1 18.712,10.1 18.516,9.925 17.375,9.925 16.3,11 16.3,15.25
no net on Top Layer "NONET_L01_P002" (hatched 90Degree grid 1 track 0.3, pour order 2): 44.9,50.2
GND on Int1 (GND) (split plane): 130.49,74.99 130.49,0.51 0.51,0.51 0.51,74.99
no net on Int2 (PWR) (split plane): 276 vertices, not listed, extent 0.51,0.51 120.849,74.99
no net on Int2 (PWR) (split plane): 130.49,74.99 130.49,0.51 76.446,0.51 75.178,1.778 74.452,2.504 74.452,5.596 75.104,6.248 83.996,6.248 87.172,3.072 87.224,3.032 87.285,3.006 87.35,2.998 123.73,2.998 123.9,3.007 124.069,3.036 124.233,3.083 124.391,3.148 124.54,3.231 124.679,3.33 124.806,3.444 124.92,3.571 125.019,3.71 125.102,3.859 125.167,4.017 125.214,4.181 125.243,4.35 125.252,4.52 125.252,8.05 125.252,74.99
no net on Int2 (PWR) (split plane): 280 vertices, not listed, extent 74.452,3.501 124.749,74.99

## Other copper
Top Layer:
  pour cut-out: 6.466,64.611
  pour cut-out: 17.3,22 17.3,10.3 16.6,11 16.6,21.2
  pour cut-out: 22.405,22 25.005,22 25.005,22.2 26.005,23.2 27.005,23.2 25.605,24.6 25.605,26.6 22.505,23.5 22.405,23.4
  pour cut-out: 22.4,10.2 25,10.2 25,10 26,9 27,9 25.6,7.6 25.6,5.6 22.5,8.7 22.4,8.8
Int2 (PWR) (plane layer: these items are gaps in the copper):
  lines w0.5: 76.6,0 75,1.6 74.2,2.4 74.2,5.7 75,6.5 ; 115.6,75.25 115.6,67.45 115.6,67.057 ccw(c117.307,67.057) 116.1,65.85 ccw(c117.066,66.816) 117.066,65.45 119.3,65.45 119.83,65.45 cw(c119.83,64.18) 121.1,64.18 121.1,54.42 cw(c119.83,54.42) 119.83,53.15 116.87,53.15 ccw(c116.87,51.88) 115.6,51.88 115.6,49.72 ccw(c116.87,49.72) 116.87,48.45 119.83,48.45 cw(c119.83,47.18) 121.1,47.18 121.1,37.42 cw(c119.83,37.42) 119.83,36.15 116.87,36.15 ccw(c116.87,34.88) 115.6,34.88 115.6,32.72 ccw(c116.87,32.72) 116.87,31.45 119.83,31.45 cw(c119.83,30.18) 121.1,30.18 121.1,20.42 cw(c119.83,20.42) 119.83,19.15 116.87,19.15 ccw(c116.87,17.88) 115.6,17.88 115.6,15.72 ccw(c116.87,15.72) 116.87,14.45 119.83,14.45 cw(c119.83,13.18) 121.1,13.18 121.1,6.82 cw(c119.83,6.82) 119.83,5.55 90.3,5.55 84.45,11.4 75,11.4 74.2,10.6 74.2,7.3 75,6.5 ; 125,75.25 125,8.05 125,4.52 cw(c123.73,4.52) 123.73,3.25 87.35,3.25 84.1,6.5 75,6.5

## Text inside footprints (layer, text, board x,y; h text height)
C1: Mechanical 13 "+" at 34.354,13.075 h1.52; Top Overlay "+" at 34.354,13.075 h1.52
C2: Mechanical 13 "+" at 34.354,26.525 h1.52; Top Overlay "+" at 34.354,26.525 h1.52
C3: Mechanical 13 "+" at 1.254,26.525 h1.52; Top Overlay "+" at 1.254,26.525 h1.52
CON1_3: Top Overlay "1" at 117.2,69.596 h1 r270; Top Overlay "4" at 113,69.763 h1 r270
CON2: Top Overlay "4" at 113,52.763 h1 r270; Top Overlay "1" at 117.2,52.596 h1 r270
CON3: Top Overlay "1" at 117.2,35.596 h1 r270; Top Overlay "4" at 113,35.763 h1 r270
CON4: Top Overlay "4" at 113,18.763 h1 r270; Top Overlay "1" at 117.2,18.596 h1 r270
L1: Top Overlay "470" at 54.938,10.281 h1.52 r270
L2: Top Overlay "470" at 54.938,25.981 h1.52 r270
U1_3: Mechanical 13 "*" at 81.335,34.267 h1.27 r90; Top Overlay "*" at 80.954,31.698 h1.27 r90; Mechanical 7 "0.874in/22.2mm" at 90.018,60.403 h0.64 r90; Mechanical 7 "0.795in/20.193mm" at 89.9,20.7 h0.64 r90; Mechanical 7 "0.795in/20.193mm" at 104.533,41.76 h0.64 r90; Mechanical 7 "0.874in/22.2mm" at 73.597,42.078 h0.64 r90; Mechanical 7 "0.03in/0.762mm" at 75.502,52.796 h0.64 r90; Mechanical 7 "0.02in/0.5mm" at 81.518,58.498 h0.64 r90